# KiCad board SimulTypeUltra.kicad_pcb (continued)
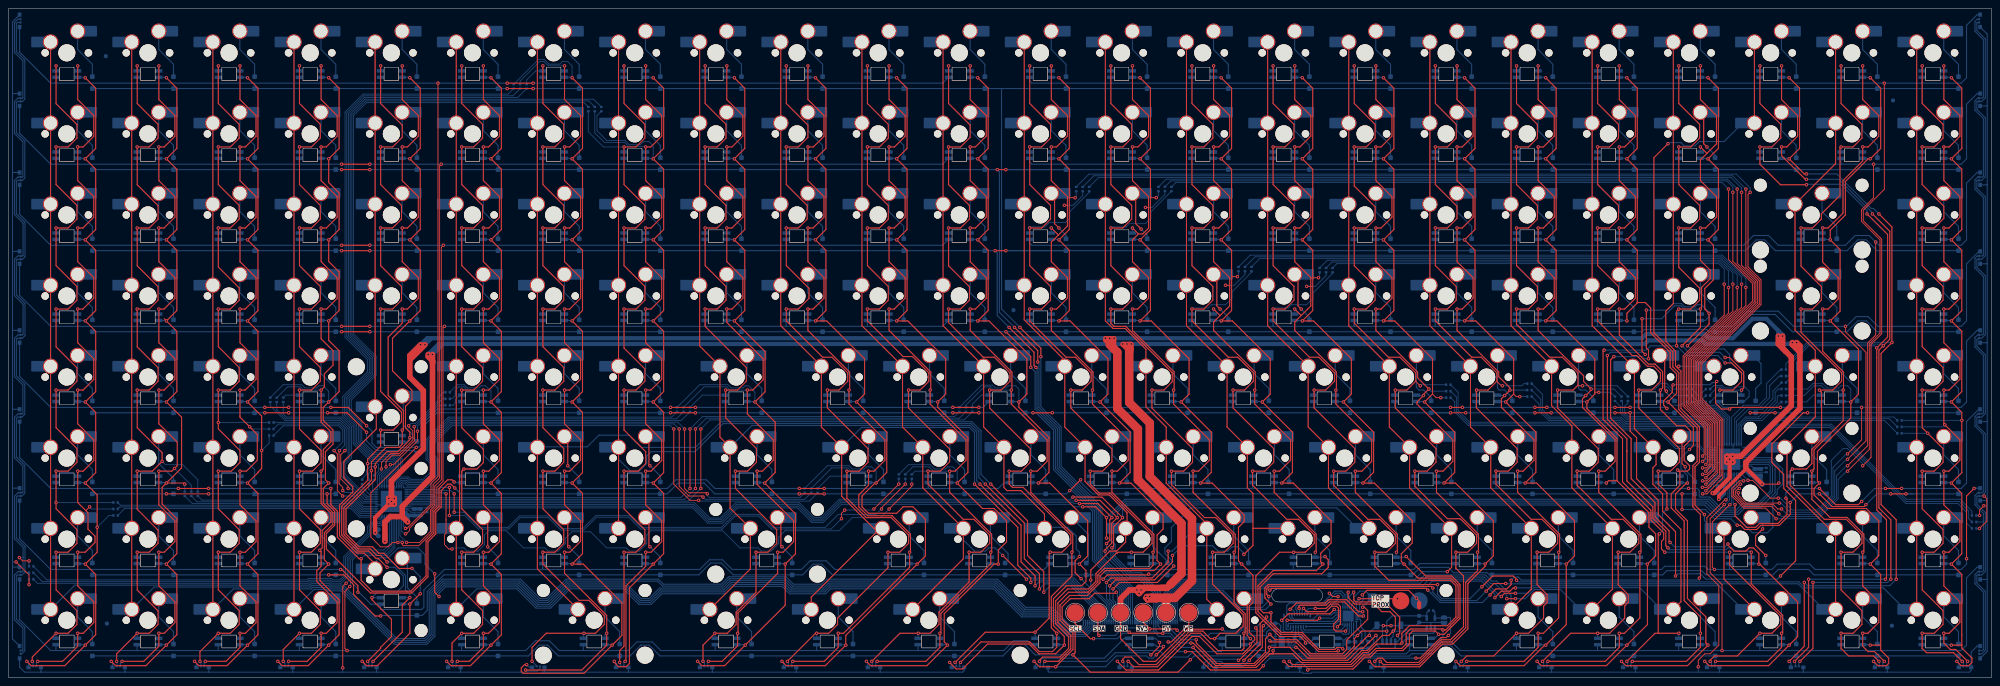
[diagram p0: board, top side]
## Routing (per net, layer and track width the routed paths; a pad name or vN(x,y) marks a point on that pad's centre or on a via; arc(x,y) is an arc through that point) (continued)
/R22c: length 277
  Top w0.25: v1(403.71,31.38) 403.71,31.11 405.12,29.7 407.91,29.7 408.67,30.46 409.69,30.46 410.96,29.19 v1(410.96,26.65) 411.17,26.65 420.06,17.76 420.06,9.59 v1(418.07,7.6) 413.25,2.77 399.28,2.77 v1(398.26,3.79) ; v1(376.92,75.42) 376.16,74.66 376.16,60.94 380.99,56.11 380.99,46.72 386.58,41.13 386.58,37.76 389.88,34.46 389.88,31.98 v1(390.13,31.73) ; v1(384.54,86.34) 384.54,77.45 385.05,76.94 v1(385.05,74.91) ; v1(394.2,77.96) 399.28,83.04 v1(399.28,85.58) 398.26,86.59 398.26,91.42 400.29,93.45 400.29,101.58 v1(399.02,102.85) 401.46,105.29 401.46,119.46 v1(399.02,121.9) 401.46,124.34 401.46,138.51 v1(399.02,140.95)
  Bottom w0.2: R22.1 400.38,68.64 402.3,68.64 402.89,68.05 405.12,68.05 405.37,68.31 407.66,68.31 408.67,67.29 408.67,66.02
  Bottom w0.25: LED158.1 410.85,26.76 v1(410.96,26.65) ; v1(384.54,86.34) 389.37,86.34 390.89,87.86 392.8,87.86 393.56,87.1 395.97,87.1 396.48,87.61 397.5,87.61 399.28,85.83 v1(399.28,85.58) 399.28,84.82 398.37,83.91 LED92.1 ; v1(394.2,77.96) 394.96,77.2 402.83,77.2 404.1,75.93 404.1,74.4 407.4,71.1 407.4,68.31 ; v1(398.26,3.79) 398.79,3.26 LED210.1 ; LED21.1 398.91,141.06 v1(399.02,140.95) ; v1(399.02,121.9) 398.91,122.01 LED45.1 ; v1(418.07,7.6) 417.96,7.71 LED174.1 ; v1(390.13,31.73) 391.15,30.71 403.04,30.71 v1(403.71,31.38) ; v1(385.05,74.91) 384.04,74.91 383.53,75.42 v1(376.92,75.42) ; 408.67,66.02 407.51,64.86 LED115.1 ; LED69.1 398.91,102.96 v1(399.02,102.85)
/R23c: length 213.6
  Top w0.25: v1(418.07,140.95) 420.51,138.51 420.51,124.34 v1(418.07,121.9) 421.63,118.34 v1(422.14,118.34) ; v1(421.63,22.33) 421.63,7.35 v1(418.07,3.79) ; v1(439.15,108.95) 442.2,105.9 v1(442.2,78.72) 439.66,76.18 439.66,40.62 443.22,37.06 v1(443.22,23.09)
  Bottom w0.2: 432.55,78.76 422.31,78.76 417.31,73.76 R23.1 ; 432.55,78.76 442.16,78.76 v1(442.2,78.72) ; 432.55,78.76 432.8,78.76
  Bottom w0.25: v1(439.15,108.95) 437.88,110.22 437.38,110.22 436.88,110.72 436.87,110.72 429.25,118.34 v1(422.14,118.34) ; v1(443.22,23.09) 441.69,21.57 422.39,21.57 v1(421.63,22.33) ; v1(418.07,3.79) 418.49,3.37 LED211.1 ; v1(418.07,140.95) 417.96,141.06 LED22.1 ; v1(418.07,121.9) 417.96,122.01 LED46.1
/R24c: length 210.5
  Top w0.25: v1(437.12,7.6) 439.56,7.6 ; 439.56,7.6 439.56,6.43 441.44,4.55 441.44,3.28 440.93,2.77 438.9,2.77 v1(437.88,3.79) ; 439.56,7.6 439.56,24.21 v1(437.12,26.65) 439.11,28.64 439.11,36.81 436.2,39.72 427.1,39.72 423.91,42.91 423.91,44.43 v1(425.18,45.7) 424.71,46.18 424.71,53.12 432.55,60.97 v1(432.55,64.75) 434.35,66.55 434.35,77.17 v1(427.72,83.8) 430.04,86.12 430.04,100.53 v1(427.72,102.85) 427.72,105.14 431.28,108.69 431.28,116.57 436.61,121.9 v1(437.12,121.9) 439.56,124.34 439.56,138.51 v1(437.12,140.95)
  Bottom w0.2: v1(432.55,64.75) 432.55,67.8 431.79,68.56 430.26,68.56 429.76,68.05 426.96,68.05 425.95,69.07 423.66,69.07 422.39,67.8 R24.1
  Bottom w0.25: LED70.1 427.61,102.96 v1(427.72,102.85) ; v1(437.88,3.79) 438.2,3.48 LED212.1 ; v1(425.18,45.7) 425.07,45.81 LED137.1 ; v1(437.12,140.95) 437.01,141.06 LED23.1 ; v1(432.55,64.75) 432.44,64.86 LED116.1 ; v1(437.12,26.65) 437.01,26.76 LED159.1 ; v1(437.12,7.6) 437.01,7.71 LED175.1 ; v1(437.12,121.9) 437.01,122.01 LED47.1 ; v1(427.72,83.8) 427.61,83.91 LED93.1
/R25c: length 188.7
  Top w0.25: 458.61,7.6 458.61,24.21 v1(456.17,26.65) 458.61,29.09 458.61,43.26 v1(456.17,45.7) 458.61,48.14 v1(458.61,60.43) 458.61,62.31 v1(456.17,64.75) 458.61,67.19 458.61,81.36 v1(456.17,83.8) 458.61,86.24 458.61,100.41 v1(456.17,102.85) 458.61,105.29 458.61,119.46 v1(456.17,121.9) 458.61,124.34 458.61,138.51 v1(456.17,140.95) ; 458.61,7.6 v1(456.17,7.6) ; 458.61,7.6 458.61,6.94 461,4.55 461,3.54 460.24,2.77 458.46,2.77 v1(457.44,3.79)
  Bottom w0.2: R25.1 v1(458.61,60.43)
  Bottom w0.25: LED176.1 456.06,7.71 v1(456.17,7.6) ; LED138.1 456.06,45.81 v1(456.17,45.7) ; LED24.1 456.06,141.06 v1(456.17,140.95) ; v1(456.17,121.9) 456.06,122.01 LED48.1 ; LED94.1 456.06,83.91 v1(456.17,83.8) ; LED160.1 456.06,26.76 v1(456.17,26.65) ; LED117.1 456.06,64.86 v1(456.17,64.75) ; v1(456.17,102.85) 456.06,102.96 LED71.1 ; v1(457.44,3.79) 457.9,3.33 LED213.1
/R26c: length 165.8
  Top w0.2: v1(463.79,40.37) 462.78,39.35 v1(462.78,38.08)
  Bottom w0.2: R26.1 v1(462.78,38.08) ; v1(463.79,40.37) 464.58,40.37
  Bottom w0.25: 464.58,115.8 464.58,97.26 ; 464.58,115.8 464.56,115.78 LED220.1 ; 464.58,115.8 464.58,134.35 ; 464.58,97.26 464.55,97.23 LED219.1 ; 464.58,97.26 464.58,78.72 ; LED217.1 464.53,60.13 464.58,60.18 ; 464.58,78.72 464.58,60.18 ; 464.58,78.72 464.54,78.68 LED218.1 ; 464.58,60.18 464.58,41.64 ; 464.58,23.09 464.58,6.15 LED214.1 ; 464.58,23.09 464.58,41.64 ; 464.58,23.09 464.52,23.03 LED215.1 ; 464.58,41.64 464.53,41.58 LED216.1 ; LED222.1 464.58,151.21 464.58,134.35 ; 464.58,134.35 464.56,134.33 LED221.1
/SCL: length 511.9
  Top w0.25: v1(257.8,31.48) 258.56,32.24 258.56,37.06 v1(259.07,37.57) 255.77,40.88 v1(251.45,40.88) ; v1(315.81,20.05) 315.86,20.01 315.86,18.22 316.32,17.76 321.16,17.76 322.43,16.48 324.35,16.48 326.63,14.2 326.63,10.39 v1(326.12,9.89) ; v1(277.61,8.11) 278.12,8.11 283.39,2.83 292.65,2.83 296.01,6.19 v1(296.01,7.09) 300.85,7.09 303.9,4.04 314.44,4.04 317.27,6.88 318.03,6.88 v1(321.04,9.89) ; TP3.1 250.43,12.68 253.99,9.12 v1(254.75,9.12) ; v1(271.01,10.39) 263.39,10.39 v1(263.13,10.65)
  Bottom w0.2: 414.17,48.75 414.17,49.68 413.36,50.49 U5.10 ; v1(251.45,40.88) 250.18,40.88 249.96,41.09 195.39,41.09 191.12,36.82 188.82,36.82 185.38,40.26 171.02,40.26 167.42,36.66 164.36,36.66 160.76,40.26 99.68,40.26 98.96,40.98 94.64,40.98 94.24,40.58 U4.10
  Bottom w0.25: v1(277.61,8.11) 275.07,8.11 272.78,10.39 v1(271.01,10.39) 269.99,10.39 269.39,10.99 J1.35 269.39,19.88 265.61,23.66 263.33,23.66 258.81,28.17 258.81,29.44 257.8,30.46 v1(257.8,31.48) ; v1(315.81,20.05) 314.8,19.04 U2.22 ; v1(263.13,10.65) 262.88,10.39 261.61,10.39 260.34,9.12 v1(254.75,9.12) ; 326.7,9.06 326.12,9.63 v1(326.12,9.89) ; 326.7,9.06 326.03,8.39 J5.4 325.59,7.09 325.34,6.84 322.06,6.84 321.3,7.6 321.3,9.63 v1(321.04,9.89) ; 326.7,9.06 328.03,10.39 334.51,10.39 334.88,10.77 U3.1 ; v1(259.07,37.57) 259.07,38.21 262.3,41.44 398.96,41.44 401.56,38.84 405.88,38.84 407.4,40.37 410.83,40.37 414.17,43.71 414.17,49 ; v1(296.01,7.09) 296.15,7.09 296.67,7.61 U1.8
/SDA: length 502.9
  Top w0.25: v1(257.47,29.7) 257.47,30.01 259.01,31.55 259.01,36.24 v1(260.34,37.57) 256.27,41.64 v1(250.69,41.64) ; 296.15,5.57 296.91,5.57 v1(296.91,6.29) ; 296.15,5.57 292.97,2.38 282.79,2.38 v1(278.12,7.06) ; 296.15,5.57 301.49,5.57 303.52,3.54 314.95,3.54 317.74,6.33 319.01,6.33 322.57,9.89 324.09,9.89 v1(325.11,10.9) 325.12,10.9 325.62,11.4 325.62,14.2 324.35,15.47 322.43,15.47 320.65,17.25 316.08,17.25 314.55,18.78 v1(314.55,20.05) ; TP4.1 255.77,10.14 v1(256.02,9.89)
  Bottom w0.2: U4.9 94.08,40.98 94.48,41.38 99.12,41.38 99.85,40.66 160.93,40.66 164.52,37.06 167.26,37.06 170.85,40.66 185.55,40.66 188.99,37.22 190.96,37.22 195.22,41.49 250.54,41.49 v1(250.69,41.64) ; 414.77,49 414.77,49.65 413.53,50.89 U5.9
  Bottom w0.25: v1(257.47,29.7) 257.47,28.76 263.02,23.21 265.42,23.21 268.89,19.74 J1.34 268.89,10.86 ; v1(278.12,7.06) 275.36,7.06 272.75,9.67 270.08,9.67 268.89,10.86 ; 268.89,10.86 268.72,10.69 266.14,10.69 265.16,11.66 261.61,11.66 259.83,9.89 v1(256.02,9.89) ; J5.3 324.59,9.17 325.11,9.69 v1(325.11,10.9) 327.9,10.9 328.17,11.17 332.98,11.17 U3.3 ; U1.7 296.91,6.59 v1(296.91,6.29) ; v1(260.34,37.57) 260.34,38.84 262.49,40.99 398.65,40.99 401.31,38.33 406.13,38.33 407.66,39.86 411.21,39.86 414.77,43.41 414.77,49 ; v1(314.55,20.05) 314.3,19.8 U2.21
/SHIELD: length 32.9
  Top w0.25: v1(310.12,19.79) 310.88,19.03 v1(312.15,19.03)
  Bottom w0.25: J2.17 304.93,15.11 305.29,15.47 309.23,15.47 312.15,18.4 v1(312.15,19.03) ; J2.1 300.13,16.91 300.72,17.51 308.57,17.51 310.5,19.44 310.53,19.44 ; 310.53,19.44 310.47,19.44 v1(310.12,19.79) ; 310.53,19.44 311.39,20.3 312.92,20.3 313.8,19.41 U2.20
/SLDL1: length 8.5
  Bottom w0.25: J2.16 311.07,11.99 312.29,13.21 U2.13
/SLDL2: length 16.5
  Top w0.25: v1(312.02,11.91) 312.72,12.61 312.72,16.69 312.15,17.25 310.38,17.25 309.36,16.24 v1(306.82,16.24)
  Bottom w0.25: v1(306.82,16.24) 305.3,16.24 304.33,15.27 J2.15 ; v1(312.02,11.91) 312.63,12.52 U2.12
/SLDL3: length 11.3
  Bottom w0.25: U2.11 313.8,12.06 312.9,11.16 304.28,11.16 304.03,11.41 J2.14
/SLDL4: length 20.9
  Top w0.25: v1(313.93,10.9) 311.65,10.9 311.14,11.41 311.14,12.57 312.27,13.7 312.27,16.31 311.83,16.74 310.63,16.74 309.36,15.47 304.81,15.47 v1(304.04,16.24)
  Bottom w0.25: U2.10 314.3,11.27 v1(313.93,10.9) ; v1(304.04,16.24) 303.73,15.93 J2.13
/SLDL5: length 14.7
  Bottom w0.25: J2.12 303.43,11.25 304.03,10.65 312.92,10.65 313.39,10.18 314.48,10.18 314.8,10.5 U2.9
/SLDR1: length 13.2
  Bottom w0.25: U2.14 312.15,13.71 311.12,12.68 300.55,12.68 300.43,12.56 J2.2
/SLDR2: length 13.4
  Bottom w0.25: J2.3 300.73,14.18 301.71,13.19 311,13.19 312.02,14.21 U2.15
/SLDR3: length 16.9
  Top w0.25: v1(300.22,13.44) 307.33,13.44 v1(307.84,13.94)
  Bottom w0.25: v1(300.22,13.44) 299.95,13.18 299.95,11.34 301.03,11.34 J2.4 ; v1(307.84,13.94) 307.84,13.95 310.89,13.95 311.65,14.71 U2.16
/SLDR4: length 12.8
  Bottom w0.25: U2.17 311.13,15.21 310.63,14.71 307.33,14.71 306.3,13.69 301.85,13.69 301.33,14.21 J2.5
/SLDR5: length 21
  Top w0.25: v1(298.95,13.44) 300.47,14.97 310.23,14.97 v1(311.25,15.98)
  Bottom w0.25: J2.6 301.63,11.05 301.23,10.65 299.71,10.65 299.3,11.06 299.3,13.09 v1(298.95,13.44) ; v1(311.25,15.98) 311.52,15.71 U2.18
/TOPL: length 22.8
  Top w0.25: v1(300.9,16.02) 302.39,17.51 309.11,17.51 309.87,18.27 314.19,18.27 316.98,15.47 v1(317.95,15.47)
  Bottom w0.25: J2.7 301.93,15.44 301.35,16.02 v1(300.9,16.02) ; v1(317.95,15.47) 317.19,14.71 U2.3
/TOPR: length 20.5
  Top w0.25: v1(303.01,16.24) 303.01,16.75 303.26,17 309.36,17 310.12,17.76 313.68,17.76 316.98,14.46 v1(318.11,14.46)
  Bottom w0.25: U2.4 317.86,14.21 v1(318.11,14.46) ; J2.11 303.13,16.13 v1(303.01,16.24)
/WP: length 91.3
  Top w0.25: v1(338.06,9.89) 337.55,9.38 336.28,9.38 331.45,4.55 v1(330.44,4.55) ; v1(294.63,2.77) 293.61,1.76 282.18,1.76 277.86,6.08 v1(276.34,6.08) ; v1(272.28,8.36) 273.02,8.36 277.1,12.44 TP5.1
  Bottom w0.25: v1(330.44,4.55) 296.15,4.55 294.88,3.28 294.88,3.03 v1(294.63,2.77) ; 334.51,15.74 334.88,15.37 334.88,13.96 336.9,13.96 JP1.1 338.41,14.11 338.57,13.95 338.57,10.39 v1(338.06,9.89) ; v1(272.28,8.36) 274.56,6.08 v1(276.34,6.08)
B1: length 93.8
  Bottom w0.2: U4.28 87.9,37.27 87.19,36.56 85.33,36.56 84.32,35.54 84.32,34.02 78.73,28.43 78.73,23.9 77.77,22.94 76.17,22.94 75.84,23.28 70.47,23.28 70.13,22.93 9.04,22.93 R53.2
B2: length 61.9
  Bottom w0.2: R54.2 26.28,40.49 80.75,40.49 82.66,38.58 U4.31
B3: length 43.2
  Bottom w0.2: U4.34 83.16,39.78 81.25,41.69 45.4,41.69 R55.2
B4: length 41
  Top w0.2: v1(78.98,53.32) 78,52.34 78,46.68 79.74,44.94 v1(79.74,44.43)
  Bottom w0.2: v1(79.74,44.43) 80.25,44.43 83.3,41.38 U4.38 ; v1(78.98,53.32) 79.27,53.61 79.27,58.48 77.79,59.96 62.26,59.96 R56.2
B5: length 41.5
  Bottom w0.2: U4.41 84.17,42.58 79.02,47.74 79.02,50.06 80.54,51.58 80.54,58.91 78.25,61.19 65.27,61.19 64.5,61.96 R57.2
B6: length 3.6
  Bottom w0.2: U4.44 85.73,43.78 85.51,44 85.51,46.13 R58.2
B7: length 26.8
  Top w0.2: v1(89.65,50.02) 90.41,50.02 96.02,55.63 v1(96.02,57.89)
  Bottom w0.2: U4.47 87.5,47.32 89.65,49.46 v1(89.65,50.02) ; v1(96.02,57.89) 96.02,59.07 100.94,63.99 R59.2
B8: length 145.6
  Bottom w0.2: R60.2 119.55,136.31 83.56,136.31 79.81,132.56 79.81,80.29 85.12,74.99 85.12,71.53 79.27,65.69 79.27,61.87 81.74,59.4 81.74,55.25 85.41,51.58 90.49,51.58 91.21,50.86 91.21,49.33 88.7,46.82 U4.50
B9: length 157.6
  Bottom w0.2: U4.53 89.9,46.32 92.41,48.83 92.41,51.36 90.99,52.78 85.91,52.78 82.94,55.74 82.94,59.9 80.47,62.37 80.47,65.19 86.32,71.03 86.32,75.49 81.01,80.79 81.01,132.06 84.06,135.11 135.12,135.11 R61.2
B10: length 82.7
  Bottom w0.2: R62.2 157.94,60.39 103.62,60.39 98.83,55.61 98.83,51.62 99.85,50.6 99.85,47.91 97.72,45.78 94.04,45.78 93.49,46.33 92.18,46.33 91.5,45.66 U4.57
B11: length 125.1
  Top w0.2: v1(162.04,41.64) 160.01,41.64 156.2,45.45 v1(156.2,58.4)
  Bottom w0.2: v1(162.04,41.64) 162.22,41.46 188.03,41.46 R63.2 ; v1(156.2,58.4) 155.4,59.19 104.13,59.19 100.03,55.09 100.03,52.12 101.05,51.1 101.05,47.41 98.22,44.58 92.95,44.58 U4.60
B12: length 158.1
  Top w0.2: v1(102.73,43.16) 102.73,37.06 ; 102.73,37.06 102.73,37.05 ; 102.73,37.06 102.73,33.89 102.35,33.51 102.35,31.22 103.37,30.21 v1(104.13,30.21) ; v1(212.08,45.45) 212.08,44.94 v1(206.74,39.6)
  Bottom w0.2: v1(206.74,39.6) 204.71,37.57 198.11,37.57 195.02,34.49 182.32,34.49 180.84,33 180.84,31.48 179.06,29.7 176.77,29.7 176.01,30.46 171.69,30.46 167.67,34.49 150.83,34.49 149.85,33.51 149.85,31.48 148.07,29.7 145.78,29.7 145.02,30.46 140.45,30.46 136.68,34.23 132.28,34.23 130.8,32.75 130.8,31.48 129.02,29.7 126.73,29.7 125.97,30.46 120.89,30.46 116.87,34.49 112.73,34.49 111.75,33.51 111.75,31.22 110.22,29.7 107.68,29.7 106.92,30.46 104.38,30.46 v1(104.13,30.21) ; v1(102.73,43.16) 102.51,43.38 100.32,43.38 ; 100.32,43.38 U4.3 ; 100.32,43.38 102.35,43.38 ; R64.2 v1(212.08,45.45)
B13: length 150.1
  Top w0.2: v1(162.55,44.43) v1(162.55,58.4)
  Bottom w0.2: R65.2 224.38,60.54 164.69,60.54 v1(162.55,58.4) ; U4.6 99.46,42.18 100.18,41.46 159.58,41.46 v1(162.55,44.43)
B14: length 243.4
  Top w0.2: v1(406.9,114.03) 406.9,96.89 410.67,93.12 410.67,87.94 396.78,74.05 396.78,65.23 401.71,60.29 401.71,47.66 398.74,44.69 v1(397.71,44.69)
  Bottom w0.2: R66.2 255.95,117.51 404.43,117.51 406.9,115.04 v1(406.9,114.03) ; v1(397.71,44.69) 398.77,44.69 399.28,45.19 399.28,45.55 400.47,46.74 401.66,46.74 402.1,47.18 U5.28
B15: length 213.7
  Top w0.2: v1(403.85,114.79) 403.85,98.24 409.47,92.62 409.47,88.44 395.58,74.55 395.58,64.73 400.51,59.8 400.51,48.94 398.54,46.97 v1(398.51,46.97)
  Bottom w0.2: R67.2 274.05,116.31 396.74,116.31 ; U5.31 400.09,48.49 398.57,46.97 v1(398.51,46.97) ; 396.74,116.31 396.48,116.31 ; 396.74,116.31 402.32,116.31 v1(403.85,114.79)
B16: length 172.9
  Top w0.2: v1(405.88,91.67) 405.88,86.55 394.38,75.05 394.38,64.23 399.31,59.3 399.31,49.9 398.67,49.26 v1(397.75,49.26)
  Bottom w0.2: v1(397.75,49.26) 399.02,49.26 399.45,49.69 U5.34 ; R68.2 293.79,98.46 402.06,98.46 405.88,94.64 v1(405.88,91.67)
B17: length 146.2
  Top w0.2: v1(402.83,92.44) 402.83,85.2 393.18,75.55 393.18,63.73 398.11,58.8 398.11,52.41 v1(397.75,52.05)
  Bottom w0.2: U5.38 398.51,51.29 v1(397.75,52.05) ; v1(402.83,92.44) 402.83,95.99 401.56,97.26 311.9,97.26 R69.2
B18: length 74
  Bottom w0.2: R70.2 340.35,67.04 340.35,62.72 343.07,59.99 378.19,59.99 379.22,58.96 397.64,58.96 398.33,58.27 398.33,53.82 399.66,52.49 U5.41
B19: length 54.2
  Bottom w0.2: U5.44 400.15,53.69 399.53,54.31 399.53,58.91 398.28,60.16 379.72,60.16 378.68,61.19 361.94,61.19 360.16,62.97 360.16,66.53 R71.2
B20: length 31.6
  Bottom w0.2: R72.2 380.23,64.5 379.46,63.73 379.46,62.24 380.34,61.36 400.54,61.36 401.7,60.2 U5.47
B21: length 17.8
  Bottom w0.2: R73.2 396.84,66.17 396.84,64.02 398.07,62.79 400.81,62.79 402.9,60.7 U5.50
B22: length 13.8
  Bottom w0.2: R74.2 398.51,64.24 398.77,63.99 401.31,63.99 404.1,61.19 U5.53
B23: length 20.9
  Bottom w0.2: U5.57 405.7,60.25 408.51,63.06 411.81,63.06 414.26,65.51 414.26,67.29 R75.2
B24: length 16.1
  Bottom w0.2: U5.60 406.9,59.16 408.18,60.43 411.78,60.43 416.1,64.75 R76.2
B25: length 40.1
  Bottom w0.2: R77.2 440.43,60.42 415.35,60.42 408.21,53.29 U5.3
B26: length 67.5
  Bottom w0.2: R78.2 459.73,36.3 459.73,38.84 457.7,40.88 445.5,40.88 427.64,58.74 415.36,58.74 408.71,52.09 U5.6
COL1: length 326.9
  Top w0.25: SW24.1 SW48.1 SW71.1 SW117.1 SW138.1 SW160.1 SW176.1 ; v1(354.06,22.84) 354.06,23.09 353.3,23.86 348.48,23.86 v1(345.94,21.32) ; v1(296.41,17.25) 294.98,18.68 294.98,21.04 295.77,21.84 335.51,21.84 v1(335.52,21.82)
  Bottom w0.25: SW176.1 440.19,21.06 421.77,21.06 420.37,22.47 354.44,22.47 v1(354.06,22.84) ; v1(296.41,17.25) 295.12,15.97 289,15.97 285.02,19.94 275.87,19.94 274.39,18.47 J1.45 ; v1(345.94,21.32) 343.14,18.52 336.54,18.52 335.52,19.54 v1(335.52,21.82)
COL2: length 318.9
  Top w0.25: v1(334.44,21.02) 334.06,21.39 295.96,21.39 295.43,20.86 295.43,19.5 v1(295.9,19.03) ; SW175.1 SW159.1 427.45,35.05 417.56,44.94 417.56,53.61 SW137.1 424.21,61.25 SW116.1 424.21,76.9 419.45,81.66 SW70.1 428.97,120.78 SW47.1 SW23.1 ; v1(346.95,20.3) 348.73,22.08 v1(351.52,22.08)
  Bottom w0.25: v1(346.95,20.3) 344.72,18.07 336.35,18.07 334.44,19.99 v1(334.44,21.02) ; J1.44 273.89,18.61 275.68,20.39 285.21,20.39 289.19,16.42 294.3,16.42 295.9,18.01 v1(295.9,19.03) ; SW175.1 420.18,22.02 351.59,22.02 v1(351.52,22.08)
COL3: length 283.9
  Top w0.25: v1(396.99,23.35) 397.24,23.6 397.24,38.33 395.47,40.11 395.47,49.76 396.48,50.78 396.48,58.65 392.16,62.97 392.16,71.61 390.77,73.01 390.77,76.56 386.32,81.01 386.32,122.15 v1(389.62,125.46) ; 332.08,20.94 331.97,20.94 ; 331.97,20.94 332.85,20.94 v1(333.24,20.55) ; 331.97,20.94 296.53,20.94 v1(296.15,20.55) ; SW22.1 SW46.1 ; v1(352.79,22.84) 352.79,21.82 351.78,20.81 349.24,20.81 v1(347.84,19.41)
  Bottom w0.25: v1(352.79,22.84) 353.56,23.6 354.48,23.6 355.17,22.92 396.99,22.92 v1(396.99,23.35) ; v1(347.84,19.41) 346.05,17.62 336.16,17.62 333.99,19.8 333.99,19.81 v1(333.24,20.55) ; SW46.1 402.81,125.96 396.99,125.96 395.97,124.95 393.43,124.95 392.67,125.71 389.88,125.71 v1(389.62,125.46) ; v1(296.15,20.55) 295.86,20.84 275.49,20.84 273.39,18.74 J1.43
COL4: length 298.3
  Top w0.25: 391.85,72.82 391.4,73.26 391.4,76.69 389.12,78.97 389.12,86.11 390.87,87.86 SW69.1 SW45.1 SW21.1 ; 391.85,72.82 392.67,71.99 392.67,63.23 396.99,58.91 396.99,50.53 395.97,49.51 395.97,40.51 v1(398.19,38.3) ; 391.85,72.82 v1(392.16,73.13) ; SW158.1 402.78,23.15 SW174.1 ; v1(353.81,21.06) 353.3,21.06 352.54,20.3 350.51,20.3 v1(348.98,18.78)
  Bottom w0.25: v1(348.98,18.78) 348.98,19.54 345.88,22.64 334.25,22.64 332.9,21.29 275.31,21.29 272.89,18.88 J1.42 ; v1(398.19,38.3) 398.19,36.87 SW158.1 ; SW174.1 401.58,21.57 357.87,21.57 357.37,21.06 v1(353.81,21.06) ; v1(392.16,73.13) 392.18,73.15 SW115.1
COL5: length 272.4
  Top w0.25: v1(350.51,19.03) 351.27,19.79 v1(353.81,19.79) ; SW20.1 SW44.1 SW68.1 371.82,82.68 SW114.1 381.75,72.75 381.75,58.46 SW136.1 ; SW136.1 386.83,53.38 ; SW136.1 386.83,53.38 386.83,50.02 386.07,49.26 386.07,45.45 388.35,43.16 388.35,39.1 392.67,34.78 392.67,17.8 SW173.1
  Bottom w0.25: J1.41 272.39,19.01 275.12,21.74 332.22,21.74 333.57,23.09 346.19,23.09 350.25,19.03 v1(350.51,19.03) ; v1(353.81,19.79) 356.73,19.79 358.06,21.12 382.98,21.12 SW173.1
COL6: length 255.7
  Top w0.25: v1(351.78,18.52) v1(353.81,18.52) ; SW172.1 376.59,20.76 SW157.1 367.06,44.58 SW135.1 367.06,59.12 362.3,63.88 SW113.1 352.77,82.68 SW67.1 SW43.1 SW19.1
  Bottom w0.25: SW172.1 364.38,20.67 358.24,20.67 356.1,18.52 v1(353.81,18.52) ; v1(351.78,18.52) 351.78,19.28 348.98,22.08 347.97,22.08 346.44,23.6 332.87,23.6 331.46,22.19 274.93,22.19 271.89,19.15 J1.40
COL7: length 240.1
  Top w0.25: SW18.1 SW42.1 SW66.1 333.72,82.68 SW112.1 343.25,58.86 SW134.1 348.01,44.58 SW156.1 357.54,20.76 SW171.1
  Bottom w0.25: J1.39 271.39,19.29 274.75,22.64 331.01,22.64 332.47,24.11 346.76,24.11 348.22,22.64 349.43,22.64 352.77,19.3 SW171.1
COL8: length 210.5
  Top w0.25: SW17.1 SW41.1 SW65.1 314.67,82.68 SW111.1 324.2,58.86 SW133.1 328.96,44.58 SW155.1 338.82,34.72 338.82,25.89 v1(337.81,24.87)
  Bottom w0.25: J1.38 270.89,19.42 274.56,23.09 330.19,23.09 331.97,24.87 v1(337.81,24.87)
COL9: length 206.8
  Top w0.25: SW16.1 SW40.1 SW64.1 295.62,82.68 SW110.1 305.15,58.86 SW132.1 309.91,44.58 SW154.1 ; v1(273.6,26.2) 269.74,22.33 260.85,22.33 v1(259.32,20.81)
  Bottom w0.25: v1(259.32,20.81) 259.32,18.27 259.89,17.71 J1.16 ; SW154.1 311.85,39.86 277.61,39.86 273.04,35.29 273.04,31.98 271.51,30.46 271.51,29.19 273.04,27.67 273.04,26.76 v1(273.6,26.2)
COL10: length 183
  Top w0.25: v1(258.56,21.57) 259.93,22.94 269.07,22.94 273.29,27.16 v1(273.29,28.68) ; SW153.1 292.2,35.05 292.18,35.03 ; 292.18,35.03 292.18,31.06 v1(290.06,28.94) ; 292.18,35.03 292.18,43.26 290.86,44.58 SW131.1 286.1,58.86 SW109.1 276.57,82.68 SW63.1 SW39.1 SW15.1
  Bottom w0.25: v1(258.56,21.57) 258.56,18.4 259.39,17.57 J1.15 ; v1(290.06,28.94) 290.06,29.19 288.53,30.71 287.26,30.71 286.25,29.7 283.96,29.7 282.69,30.97 275.58,30.97 v1(273.29,28.68)
COL11: length 184.3
  Top w0.25: SW152.1 281.34,18.38 SW170.1 ; SW152.1 280.17,35.05 ; SW152.1 281.34,36.13 271.81,45.66 SW130.1 271.81,58.86 267.05,63.63 SW108.1 267.05,77.14 262.17,82.02 259.32,82.02 257.52,83.82 SW62.1 SW38.1 SW14.1 ; v1(272.28,29.7) 272.28,27.16 268.5,23.39 258.85,23.39 v1(257.8,22.33)
  Bottom w0.25: v1(272.28,29.7) 273.21,29.7 SW152.1 ; v1(257.8,22.33) 257.8,18.53 258.89,17.43 J1.14
COL12: length 154
  Top w0.25: v1(254.11,22.9) 254.11,25.24 258.56,29.7 260.15,29.7 262.29,31.83 SW151.1 262.62,35.39 262.62,38.71 258.43,42.9 255.9,42.9 252.76,46.04 SW129.1 248,58.86 SW107.1 248,74.55 238.47,84.07 SW61.1 SW37.1 SW13.1
  Bottom w0.25: v1(254.11,22.9) 254.11,21.58 258.39,17.3 J1.13
COL13: length 158.5
  Top w0.25: SW12.1 SW36.1 SW60.1 219.42,82.68 SW106.1 228.95,58.86 SW128.1 233.71,44.64 234.43,43.92 237.73,43.92 243.24,38.42 SW150.1 ; v1(251.45,28.43) 250.43,27.41 250.43,24.62 v1(251.83,23.22)
  Bottom w0.25: J1.12 257.89,17.16 v1(251.83,23.22) ; SW150.1 243.47,35.29 248.65,35.29 250.69,33.25 250.69,30.21 251.45,29.44 v1(251.45,28.43)
COL14: length 194.7
  Top w0.25: v1(239,23.09) v1(233.41,28.68) ; SW169.1 224.19,27.91 SW149.1 214.66,44.58 SW127.1 209.9,58.86 SW105.1 200.37,82.68 SW59.1 SW35.1 SW11.1
  Bottom w0.25: J1.11 257.39,16.14 250.18,23.35 239.26,23.35 v1(239,23.09) ; v1(233.41,28.68) 231.64,30.46 230.11,30.46 229.35,29.7 226.81,29.7 224.19,32.32 SW149.1
COL15: length 248.8
  Top w0.25: v1(226.81,45.45) 236.97,35.29 236.97,26.4 240.02,23.35 v1(240.02,22.33) ; SW10.1 SW34.1 SW58.1 181.32,82.68 SW104.1 190.85,58.86 SW126.1 195.61,42.61 203.17,35.05 SW148.1 204.64,35.05 188.47,18.88 SW168.1
  Bottom w0.25: J1.10 256.89,16 249.99,22.9 240.58,22.9 v1(240.02,22.33) ; SW126.1 200.28,58.77 225.6,58.77 226.81,57.56 v1(226.81,45.45)
COL16: length 266
  Top w0.25: v1(228.08,45.45) 237.73,35.79 237.73,27.16 241.03,23.86 v1(241.03,21.57) ; SW9.1 SW33.1 SW57.1 162.27,77.91 SW103.1 167.04,56.48 SW125.1 169.42,39.81 SW147.1 174.18,25.53 SW167.1
  Bottom w0.25: v1(228.08,45.45) 227.32,46.21 227.32,57.69 225.79,59.22 174.53,59.22 SW125.1 ; J1.9 256.39,15.86 249.8,22.45 241.91,22.45 v1(241.03,21.57)
COL17: length 271.8
  Top w0.25: SW146.1 SW124.1 SW102.1 SW56.1 SW32.1 SW8.1 ; v1(242.05,20.81) 242.05,24.36 238.49,27.92 238.49,36.3 v1(229.35,45.45)
  Bottom w0.25: J1.8 255.89,15.73 249.62,22 243.24,22 v1(242.05,20.81) ; SW124.1 143.22,51.31 146.04,48.49 148.07,48.49 149.85,50.27 149.85,52.05 150.86,53.07 161.15,53.07 167.75,59.67 225.97,59.67 227.83,57.82 227.83,46.97 v1(229.35,45.45)
COL18: length 309.2
  Top w0.25: SW166.1 124.17,25.53 SW145.1 SW123.1 SW101.1 SW55.1 SW31.1 SW7.1 ; v1(243.07,20.05) 243.07,24.87 239.26,28.68 239.26,36.81 v1(230.62,45.45)
  Bottom w0.25: v1(230.62,45.45) 228.33,47.73 228.33,57.94 226.16,60.12 167.31,60.12 161.28,54.08 148.58,54.08 145.72,56.94 138.61,56.94 135.87,54.21 124.28,54.21 SW123.1 ; v1(243.07,20.05) 244.57,21.55 249.43,21.55 255.39,15.59 J1.7
COL19: length 300.8
  Top w0.25: SW6.1 SW30.1 SW54.1 SW100.1 SW122.1 105.91,53.32 105.91,35.83 SW144.1 SW165.1
  Bottom w0.25: SW165.1 109.97,20.84 119.31,20.84 123.85,16.3 127.29,16.3 131.84,20.84 144.35,20.84 147.99,17.2 150.94,17.2 153.41,19.67 168.26,19.67 170.01,21.41 181.62,21.41 183.37,19.67 191.84,19.67 193.02,20.84 231.26,20.84 237.87,14.24 244.05,14.24 248.62,9.67 252.89,9.67 254.89,11.67 J1.6
COL20: length 329.7
  Top w0.25: v1(101.08,19.03) 100.06,20.05 v1(100.06,24.36) ; 86.07,25.53 86.07,26.67 83.5,29.25 81.78,29.25 77.71,33.32 77.71,40.49 80.82,43.61 80.82,44.88 78.73,46.97 78.73,50.78 86.35,58.4 86.35,63.35 86.07,63.63 86.07,149.35
  Bottom w0.25: 86.07,25.53 86.07,27.14 87.09,28.15 89.16,28.15 91.47,30.46 96.16,30.46 97.78,28.84 97.78,26.65 v1(100.06,24.36) ; J1.5 254.39,11.81 252.7,10.12 248.8,10.12 244.23,14.69 238.05,14.69 231.45,21.29 192.83,21.29 191.66,20.12 183.55,20.12 181.81,21.86 169.82,21.86 168.08,20.12 153.22,20.12 150.75,17.65 148.18,17.65 144.53,21.29 131.65,21.29 127.1,16.75 124.04,16.75 119.49,21.29 102.59,21.29 101.08,19.79 v1(101.08,19.03)
COL21: length 353.5
  Top w0.25: SW4.1 SW28.1 SW52.1 SW98.1 SW121.1 SW142.1 SW164.1
  Bottom w0.25: J1.4 253.89,11.94 252.51,10.57 248.99,10.57 244.42,15.14 238.24,15.14 231.64,21.74 192.65,21.74 191.47,20.57 183.74,20.57 182,22.31 169.64,22.31 167.89,20.57 153.04,20.57 150.57,18.1 148.37,18.1 144.72,21.74 131.46,21.74 126.92,17.2 124.23,17.2 119.68,21.74 102.4,21.74 100.12,19.46 100.12,9.7 98.22,7.8 90.6,7.8 78.03,20.37 75,20.37 74.66,20.7 71.72,20.7 SW164.1
COL22: length 372.2
  Top w0.25: SW3.1 SW27.1 SW51.1 SW97.1 SW120.1 SW141.1 SW163.1
  Bottom w0.25: 79.49,19.54 90.79,8.25 98.03,8.25 99.67,9.89 99.67,19.65 102.21,22.19 119.86,22.19 124.41,17.65 126.73,17.65 131.28,22.19 144.91,22.19 148.55,18.55 150.38,18.55 152.85,21.02 167.71,21.02 169.45,22.76 182.18,22.76 183.93,21.02 191.28,21.02 192.46,22.19 231.82,22.19 238.43,15.59 244.6,15.59 249.18,11.02 252.33,11.02 253.39,12.08 J1.3 ; 79.49,19.54 79.62,19.42 ; 79.49,19.54 78.22,20.82 75.25,20.82 74.92,21.15 71.45,21.15 71.11,20.81 52.78,20.81 SW163.1